# Altium PCB 项目.PcbDoc (part 2 of 2)
Units mil, origin at the board's own origin, x right, y up, seen from the top; angles counter-clockwise.
Board outline 3915 x 3895 mil, 2 copper layers (Top Layer, Bottom Layer); 135 components, 114 nets, 427 pads, 258 vias.
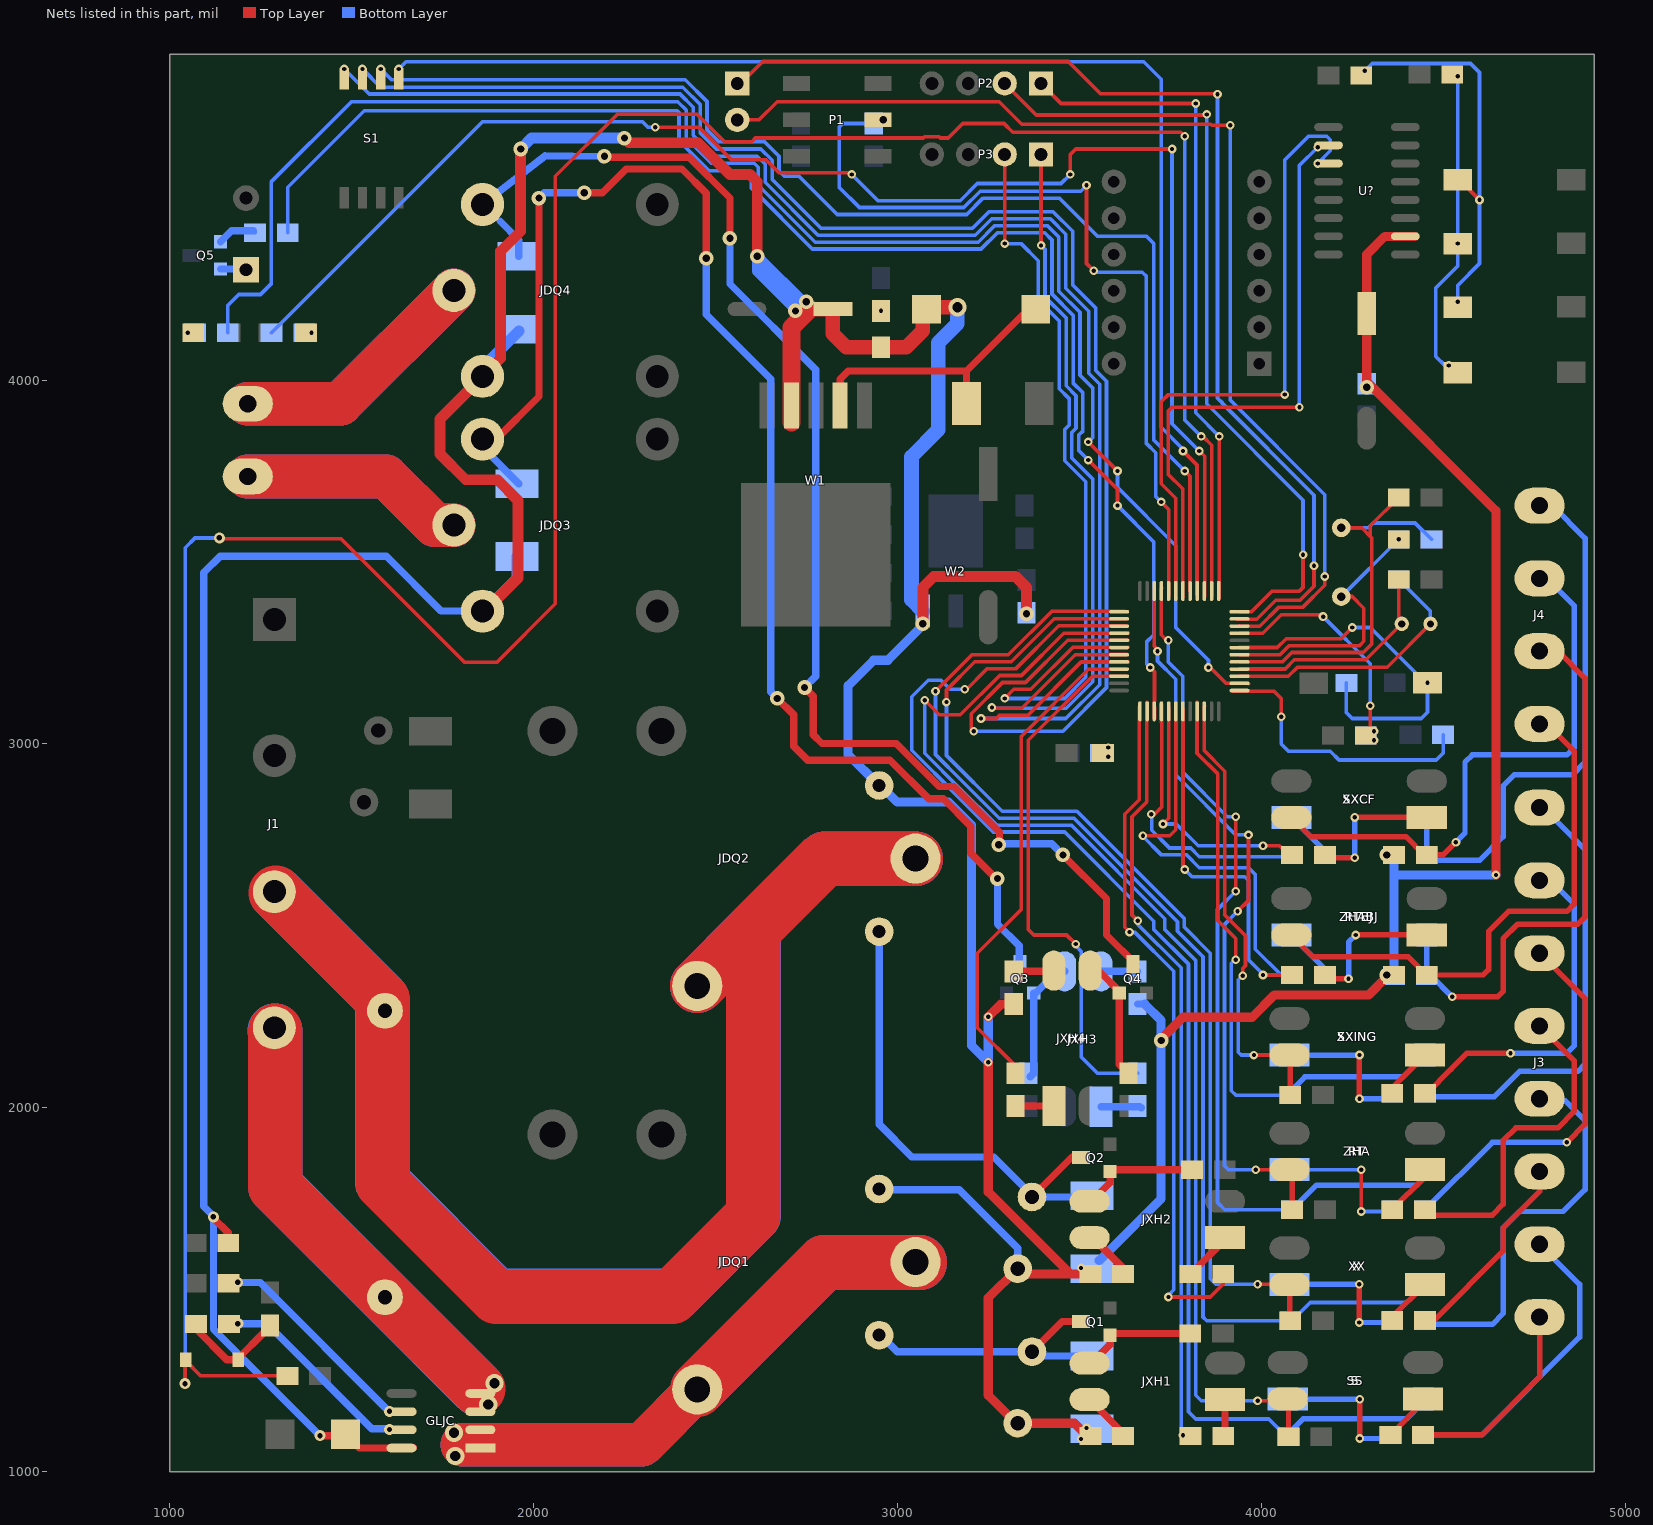
[diagram p2: the nets of this part, all layers, seen from the top]

## Via types
v1: diameter 23.62, hole 11.81, Top Layer to Bottom Layer, tented both sides, 129 vias
v2: diameter 40, hole 20, Top Layer to Bottom Layer, tented both sides, 63 vias
v3: diameter 24, hole 12, Top Layer to Bottom Layer, tented both sides, 36 vias
v4: diameter 50, hole 28, Top Layer to Bottom Layer, tented both sides, 9 vias
v5: diameter 30, hole 15, Top Layer to Bottom Layer, 8 vias
v6: diameter 50, hole 28, Top Layer to Bottom Layer, 4 vias
v7: diameter 124.02, hole 124.02, Top Layer to Bottom Layer, tented both sides, 4 vias
v8: diameter 30, hole 15, Top Layer to Bottom Layer, tented both sides, 2 vias
v9: diameter 35, hole 20, Top Layer to Bottom Layer, tented both sides, 2 vias
v10: diameter 35, hole 12, Top Layer to Bottom Layer, tented both sides, 1 vias

## Nets (pads, with @x,y where several pads share a name; then routed paths per layer and width w, separated by ;. In a path a pad name is that pad's centre, name@x,y a point inside that pad or via, vN(x,y) a via of type N, cw(c..) or ccw(c..) an arc to the next point about the centre after c; other vN are vias at no path point) (continued)
JDQ11: C8.1 C9.2 C16.2 C18.2 C19.1 D2.K D3.K D5.K D6.K D9.K GLJC.8 JDQ1.2 JDQ2.2 JDQ3.2 JDQ4.2 L1.2 LED1.1 R26.2 R28.2 R30.2 R32.2 R34.2 R37.2 R40.2 R43.2 U?.10 W1.4 W2.3 YM1.2 YM2.2 | length 17286.9
  Top Layer w20: v5(1120.46,1700) 1120.46,1697.29 1161,1656.76 1161,1654.11 1145.89,1639 C16.2@1173,1639 ; v5(1413.46,1099) 1479,1099 D9.K@1481,1101 ; D9.K@1482,1104 D9.K@1483,1103 1521,1065 GLJC.8@1637.46,1065 1669,1065 GLJC.8@1670,1066 ; JDQ3.2@1863,3358 JDQ3.2@1863,3361 ; v2@2615,4330 v2(2615,4340) ; L1.2@3070,4185 L1.2@3080,4195 ; L1.2@3095,4195 L1.2@3100,4200 ; YM2.2@3330,1555 YM2.2@3341.85,1543.15 ; 3474,1545 R37.2@3530,1545 ; R26.2@4345,2360 v2(4345,2365)
  Top Layer w25: v1(3250,2125) 3250,1769 3474,1545 ; v1(3250,2250) 3284.99,2284.99 R43.2@3320,2284.99 ; YM1.2@3330.63,1133.15 3486.85,1133.15 R34.2@3515,1105 ; YM2.2@3330.63,1558.15 3250,1477.52 3250,1210 YM1.2@3335,1125 ; YM2.2@3341.85,1543.15 R37.2@3530.63,1543.15 ; v2@3725,2189 3785,2249 3975,2249 4036,2310 4295,2310 R26.2@4345,2360 ; U?.10@4422,4395 U?.10@4396,4395 4340,4395 4290,4345 C19.1@4290,4182.48 4290,3996 4645,3641 v1(4645,2640)
  Top Layer w30: JDQ3.2@1863,3361 1958,3456 1958,3669 1901,3726 1814,3726 1743,3797 1743,3893 JDQ4.2@1860,4010 1910,4060 1910,4354 1965,4409 v2(1965,4635) ; v2(2250,4665) 2263,4652 2453,4652 2540,4565 2595,4565 2615,4545 v2(2615,4340) ; v2(3070,3330) 3070,3430 3100,3460 3325,3460 3355,3430 v2(3355,3358)
  Top Layer w40: 2760,4195 C8.1@2810,4195 ; C8.1@2823.11,4195 2823.11,4126.89 2860,4090 LED1.1@2955,4090 3024,4090 3070,4136 L1.2@3070,4185 ; L1.2@3100,4200 v4(3165,4200)
  Top Layer w50: W1.4@2709.21,3884 W1.4@2709.21,3930 2709.21,4144.21 2760,4195
  Bottom Layer w20: v5(1120.46,1700) 1120.46,1392 1411.46,1101 v5@1414,1101 ; v5@1122,1701 1094,1729 1094,3471 1139,3516 1596,3516 1747,3365 JDQ3.2@1860,3365 ; JDQ4.2@1855,4007 JDQ4.2@1855,4010 ; JDQ3.2@1860,3370 JDQ3.2@1870,3370 ; JDQ4.2@1860,4010 JDQ4.2@1860,4035 ; v2(2250,4665) v2@2255,4660 ; JDQ1.2@2950,1775 3170,1775 3330.63,1614.37 YM2.2@3330.63,1558.15 ; W2.3@3070,3326 v2(3070,3330) W2.3@3070,3365 ; R40.2@3660,2285 R40.2@3680,2285
  Bottom Layer w25: JDQ2.2@2945,2895 3000,2840 3141,2840 3204.07,2776.93 3204.07,2601.47 3204,2601.39 3204,2171 v1(3250,2125) v1(3250,2250) ; JDQ2.2@2950,2885.79 2865,2970.79 2865,3160 2935,3230 2974,3230 W2.3@3070,3326 ; D3.K@3555,1580 3725,1750 v2(3725,2185) 3725,2240 R40.2@3680,2285 ; R28.2@4365,2363 4365,2640 ; R32.2@4365,2695 4365,2640 ; v1(4645,2640) 4365,2640
  Bottom Layer w30: JDQ4.2@1860,4035 D6.K@1960,4135 ; JDQ3.2@1870,3370 1955,3455 D5.K@1955,3515 ; v2(1965,4635) 1995,4665 v2(2250,4665) ; v2@2730,4185 2615,4300 v2(2615,4340) v2@2750,4205
  Bottom Layer w40: W2.3@3070,3365 3039,3396 3039,3789 3113,3863 3113,4103 3165,4155 v4@3165,4195
  other v1: 3505,1090 3520,1120 3505,1560
  other v2: 4345,2695 4290,3980 2720,4190 2750,4215
JDQ12: D2.A JDQ1.1 Q1.C YM1.1 | length 780.6
  Top Layer w20: YM1.1@3370,1330 3453,1413 Q1.C@3505,1413
  Bottom Layer w20: JDQ1.1@2950,1380 3000,1330 YM1.1@3370,1330 3381.85,1318.15 D2.A@3535.63,1318.15
JDQ22: D3.A JDQ2.1 Q2.C YM2.1 | length 1365.6
  Top Layer w20: YM2.1@3370,1755 3480,1865 Q2.C@3493,1865
  Bottom Layer w20: JDQ2.1@2950,2484.21 2950,1955 3040,1865 3265,1865 3375,1755 D3.A@3535,1755
JDQ32: D5.A JDQ3.1 Q3.C | length 4078.5
  Top Layer w20: JDQ3.1@1860,3837.44 1897.44,3837.44 2015,3955 v2(2015,4500) ; v2(2140,4515) 2190,4515 2255,4580 2408,4580 2475,4513 v2(2475,4335) ; v2(2670,3125) 2715,3080 2715,2994 2754,2955 2980,2955 3086,2849 3126.64,2849 3201.57,2774.07 3201.57,2699.71 v2@3275.64,2625.64
  Bottom Layer w20: JDQ3.1@1860,3837.44 1860,3815 D5.A@1960,3715 ; v2(2015,4500) 2030,4515 v2(2140,4515) v2@2145,4515 ; v2(2475,4335) 2475,4180 2652,4003 2652,3143 v2(2670,3125) ; v2(3275,2630) 3275,2505 3335,2445 Q3.C@3335,2390
JDQ42: D6.A JDQ4.1 Q4.C | length 3672.4
  Top Layer w20: v2(2195,4615) 2198,4612 2428,4612 2540,4500 v2(2540,4390) ; v2(2745,3155) 2769,3131 2769,3025 2793,3001 2997,3001 3115,2883 3155,2883 3281,2757 v2@3281,2726 ; v2(3455,2695) 3575,2575 3575,2475 Q4.C@3655,2395
  Bottom Layer w20: JDQ4.1@1890.75,4500.83 1888.6,4504.42 2031.87,4616.11 2187.88,4614.58 2188.12,4613.48 2189.17,4608.71 2190.05,4604.76 v2@2191.12,4604.74 ; 1908.02,4436.98 1960,4385 D6.A@1960,4340 ; v2(2540,4390) 2540,4264 2776,4028 2776,3186 v2(2745,3155) ; v2@3292,2726 3424,2726 v2(3455,2695)
  other v2: 3279,2723
M11_OUT: DLDR.1 GLJC.3 GLJC.4 J1.4 | length 2430.4
  Top Layer w150: J1.4@1290,2212 1290,1783 1595.85,1480.15 1848,1228
  Bottom Layer w150: J1.4@1289,2212 1290,2211 1290,1785 1846.5,1228.5
  other v6: 1876,1185 1893,1243
M11_OUT_JC: GLJC.1 GLJC.2 JDQ1.3 JDQ1.6 | length 2938.9
  Top Layer w120: 1805,1074 2298.02,1074 JDQ1.3@2450.02,1226
  Top Layer w150: JDQ1.3@2450.02,1226 2799.02,1575 JDQ1.6@3062,1575
  Bottom Layer w120: 1805,1074 2298,1074 JDQ1.3@2459,1235
  Bottom Layer w150: JDQ1.3@2452,1228 2799,1575 JDQ1.6@3062,1575
  other v6: 1785,1043 1782,1107
M12_OUT: DLDR.2 J1.3 JDQ2.3 JDQ2.6 | length 7374.5
  Top Layer w150: J1.3@1292,2591 1586,2297 1586,2266.7 1586,1793 1898,1481 2381,1481 2604,1704 2604,2489 JDQ2.3@2450,2335 ; 2605,2490 2800,2685 JDQ2.6@3050,2685
  Bottom Layer w150: J1.3@1293,2590 1585,2298 1585,2266.7 1585,1796 1898,1483 2383,1483 2605,1705 2605,2490 ; JDQ2.3@2450,2335 2605,2490 ; JDQ2.6@3050,2685 2800,2685 2605,2490
M21_OUT: J2.2 JDQ3.3 | length 1243.3
  Top Layer w120: J2.2@1215,3735 1595,3735 1728.78,3601.22 JDQ3.3@1781.26,3601.22
  Bottom Layer w120: J2.2@1215,3735 1595,3735 1728.78,3601.22 JDQ3.3@1781.26,3601.22
M22_OUT: J2.1 JDQ4.3 | length 1390.3
  Top Layer w120: J2.1@1215,3935 1470.04,3935 JDQ4.3@1781.26,4246.22
  Bottom Layer w120: J2.1@1215,3935 1470.04,3935 JDQ4.3@1781.26,4246.22
Net_1: ?.1 R3.2 | length 789.4
  Top Layer w10: ?.1@3920,3145 4035,3145 4055,3125 v1(4055,3075)
  Bottom Layer w10: v1(4055,3075) 4055,3000 4075,2980 4190,2980 4214,2956 4481,2956 4500,2975 R3.2@4500,3025
Net_5: ?.5 C3.2 R1.2 X2.2 | length 1182.3
  Top Layer w10: ?.5@3940.35,3225.47 4058.67,3225.47 4084.3,3251.1 4280.49,3251.1 4303.99,3274.6 4303.99,3566.02 4300.81,3569.19 4300,3570 ; X2.2@4220,3593.98 4276.02,3593.98 4300,3570 ; C3.2@4377.86,3677.14 4300,3599.28 4300,3570
  Bottom Layer w10: X2.2@4220,3593.98 4294.7,3593.98 4307.86,3607.14 4422.86,3607.14 R1.2@4467.86,3562.14
Net_6: ?.6 C4.2 R1.1 X2.1 | length 746.1
  Top Layer w10: ?.6@3940.35,3245.16 4051.48,3245.16 4076.43,3270.1 4270.1,3270.1 4282,3282 4282,3373 4281.81,3373.19 4250,3405 X2.1@4220,3405
  Bottom Layer w10: X2.1@4220,3405 4220.72,3405 v1(4377.86,3562.14)
Net_9: ?.9 C5.2 R2.1 | length 649.1
  Top Layer w10: ?.9@3940.35,3304.21 4004.21,3304.21 4055,3355 4170,3355 4175,3350 v3(4170,3350) ; C5.2@4287.14,3022.86 4300,3035.72 v3(4300,3105)
  Bottom Layer w10: v3(4170,3350) 4300,3220 v3(4300,3105)
  other v1: 4310,3010 4310,3035
NetBEEP_1: BEEP.1 Q5.E | length 65
  Bottom Layer w20: Q5.E@1140,4305 BEEP.1@1205,4305
NetC15_2: C15.2 GLJC.6 | length 561.6
  Bottom Layer w20: v5(1187,1520) 1249,1520 1599.76,1169.24 1599.76,1168 1599.84,1167.91 1601.91,1167.91 v5@1602,1168
  other v5: 1604.46,1166
NetD1_K: D1.K L1.1 W1.2 | length 791.6
  Top Layer w20: W1.2@2843.07,3930 2843.07,4003.07 2865,4025 3190,4025 ; D1.K@3180,3930 3190,3940 3190,4025 ; L1.1@3385,4190 3355,4190 3190,4025
NetD8_A: D8.A R45.1 R46.1 | length 317.5
  Top Layer w20: R45.1@1058,1406 R45.1@1073,1406 1073,1392 1157,1308 1185.06,1308 D8.A@1189,1311.94 ; D8.A@1189,1308 D8.A@1189,1311.94 ; D8.A@1193,1309 D8.A@1189.53,1312.47 ; R46.1@1276,1402 1276,1397 1261,1382 1259.06,1382 D8.A@1189.53,1312.47 ; D8.A@1189,1311.94 D8.A@1189.53,1312.47
NetGLJC_7: GLJC.7 R45.2 | length 536.8
  Bottom Layer w20: v5(1188,1407) 1188.65,1406.35 1267.65,1406.35 1556,1118 1599.76,1118 1599.84,1117.91 1604.91,1117.91 v5@1605,1118
  other v5: 1604.46,1116
NetJXH1_1: JXH1.1 R33.2 | length 105.5
  Top Layer w20: R33.2@3895,1095 3900.63,1100.63 JXH1.1@3900.63,1198.15
NetJXH1_3: JXH1.3 Q1.B R35.1 | length 329.9
  Top Layer w20: JXH1.3@3530,1295 3585,1350 Q1.B@3585,1375 Q1.B@3590,1380 ; Q1.B@3585,1380 Q1.B@3590,1380 ; R35.1@3805,1380 Q1.B@3590,1380
NetJXH1_4: JXH1.4 R34.1 | length 150.2
  Top Layer w20: JXH1.4@3528.51,1198.15 3630,1096.66 R34.1@3630,1090
NetJXH2_1: JXH2.1 R36.2 | length 143
  Top Layer w20: R36.2@3805.63,1543.15 3905,1642.52 JXH2.1@3905,1645
NetJXH2_3: JXH2.3 Q2.B R38.1 | length 319.9
  Top Layer w20: JXH2.3@3530,1740 3585,1795 Q2.B@3585,1815 ; Q2.B@3590,1825 3595,1830 R38.1@3810,1830
NetJXH2_4: JXH2.4 R37.1 | length 144.4
  Top Layer w20: JXH2.4@3530,1650 3620.63,1559.37 R37.1@3620.63,1543.15
NetJXH3_1: JXH3.1 R39.2 | length 111.2
  Bottom Layer w20: JXH3.1@3559.99,2002.87 3667.13,2002.87 R39.2@3670,2000
NetJXH3_3: JXH3.3 Q3.B R41.1 | length 346.1
  Bottom Layer w20: R41.1@3365,2085 3375,2095 Q3.B@3375,2310 ; Q3.B@3375,2315 Q3.B@3375,2310 ; JXH3.3@3459.99,2374.99 3439.99,2374.99 Q3.B@3375,2310
NetJXH3_4: JXH3.4 R40.1 | length 100
  Bottom Layer w20: JXH3.4@3559.99,2374.99 R40.1@3660,2375
NetJXH4_1: JXH4.1 R42.2 | length 117.1
  Top Layer w20: R42.2@3315,2000 3319.99,2004.99 R42.2@3325,2004.99 JXH4.1@3430,2004.99
NetJXH4_3: JXH4.3 Q4.B R44.1 | length 348.1
  Top Layer w20: JXH4.3@3530,2377.11 3552.89,2377.11 Q4.B@3615,2315 ; Q4.B@3610,2314.99 3610,2120 R44.1@3640,2090
NetJXH4_4: JXH4.4 R43.1 | length 112.1
  Top Layer w20: R43.1@3320,2374.99 3424.99,2374.99 JXH4.4@3430,2380
NetK2_3: K2.3 K4.3 R48.2 | length 855.2
  Top Layer w10: K2.3@4540,4020 K2.3@4540,4035
  Bottom Layer w10: v1(4515,4040) 4505,4040 4480,4065 4480,4253.17 4540,4313.17 v1(4540,4375) v3(4540,4835)
NetK3_3: K3.3 K5.3 R49.2 | length 1071.3
  Top Layer w10: K5.3@4540,4550 4545,4550 v3(4600,4495)
  Bottom Layer w10: v3(4285,4850) 4305,4870 4575,4870 4600,4845 v3(4600,4495) 4600,4320 4540,4260 v3(4540,4215)
NetLED1_2: LED1.2 R7.2
  other v10: 2955,4190
NetLED2_2: LED2.2 R8.2
  other v1: 3580,2965 3580,2990
NetLED3_2: LED3.2 R50.2
  other v1: 1390,4130
NetLED4_2: LED4.2 R51.2
  other v1: 1050,4130
NetQ5_B: Q5.B R47.2 | length 109.5
  Bottom Layer w10: R47.2@1230,4410 R47.2@1235,4405
  Bottom Layer w20: Q5.B@1140,4380 1170,4410 R47.2@1230,4410
NetR9_2: R9.2 S.1 | length 136.1
  Top Layer w15: R9.2@4355,1101.16 4445,1191.16 S.1@4445,1200
NetR11_2: R11.2 SS.1 | length 390.3
  Top Layer w15: v3(4271.16,1091.31) v3(4271.16,1199)
  Bottom Layer w15: SS.1@4072.88,1200 4074.04,1198.84 v3(4271.16,1199) ; v3(4271.16,1091.31) R11.2@4354.98,1091.16
NetR13_2: R13.2 X.1 | length 136.1
  Top Layer w15: R13.2@4360,1416.16 4360,1425 X.1@4450,1515
NetR15_2: R15.2 XX.1 | length 387.1
  Top Layer w15: v3(4269.62,1410) v3(4269.62,1515)
  Bottom Layer w15: XX.1@4077.88,1515 v3(4269.62,1515) ; v3(4269.62,1410) R15.2@4360,1410
NetR17_2: R17.2 RT.1 | length 147.3
  Top Layer w15: R17.2@4360,1720 4450,1810 RT.1@4450,1830
NetR19_2: R19.2 ZHA.1 | length 397.1
  Top Layer w10: v3(4275,1715) v3(4275,1830)
  Bottom Layer w10: ZHA.1@4077.88,1830 v3(4275,1830) ; v3(4275,1715) R19.2@4360,1715
NetR21_2: R21.2 SXING.1 | length 142.3
  Top Layer w15: R21.2@4360,2040 4360,2055 SXING.1@4450,2145
NetR23_2: R23.2 XXING.1 | length 402.1
  Top Layer w15: v3(4270,2025) v3(4270,2145)
  Bottom Layer w15: XXING.1@4077.88,2145 v3(4270,2145) ; v3(4270,2025) R23.2@4360,2025
NetR25_2: R25.2 RTBJ.1 | length 392.4
  Top Layer w15: R25.2@4175,2365 4185,2355 v3(4240,2355) ; v3(4260,2475) RTBJ.1@4455,2475
  Bottom Layer w15: v3(4240,2355) 4240,2455 v3(4260,2475)
NetR27_2: R27.2 ZHABJ.1 | length 148.2
  Bottom Layer w15: ZHABJ.1@4082.88,2475 4082.88,2473 4175,2380.88 R27.2@4175,2365
NetR29_2: R29.2 SXCF.1 | length 398.8
  Top Layer w15: R29.2@4175,2695 R29.2@4185,2685 ; v3(4257,2687) R29.2@4187,2687 ; v3(4257,2798) SXCF.1@4455,2798 ; R29.2@4185,2685 R29.2@4187,2687 ; R29.2@4185,2685 R29.2@4187,2687
  Bottom Layer w15: v3(4257,2687) v3(4257,2798)
NetR31_2: R31.2 XXCF.1 | length 141.2
  Bottom Layer w15: XXCF.1@4082.88,2798 4175,2705.88 R31.2@4175,2695
NRST: ?.7 C6.2 K1.3 R4.2 | length 1008.8
  Top Layer w10: ?.7@3940.35,3264.84 4044.3,3264.84 4068.56,3289.1 4219.1,3289.1 v3(4250,3320)
  Bottom Layer w10: C6.2@4234.12,3167.47 4234.12,3085.88 4250,3070 4440,3070 4457.14,3087.14 v3(4457.14,3167.86) 4440,3167.86 4440,3180 4300,3320 v3(4250,3320)
PA0: ?.10 P4.2 | length 3072
  Top Layer w10: P4.2@2560,4715 2620,4715 2670,4765 3280,4765 3341.81,4703.19 3861.11,4703.19 3864.29,4700 v1(3915,4700) ; ?.10@3940.35,3323.9 3941.04,3323.21 3996.34,3323.21 4049.13,3376 4114.74,3376 4175,3436.26 4175,3455 4177.5,3457.5 4180,3460 4181.2,3461.2 4177.4,3465 4175,3462.6 v1(4175,3460)
  Bottom Layer w10: v1(3915,4700) 3915,3943.98 3915.51,3944.49 4175,3685 v1(4175,3460)
PA1: ?.11 P4.1 | length 3094.6
  Top Layer w10: P4.1@2560,4815 2570,4815 2631,4876 3469,4876 3558.19,4786.81 3878.19,4786.81 v1(3880,4785) ; ?.11@3932.41,3342.82 3932.48,3342.9 3987.9,3342.9 4040,3395 4106.87,3395 4145,3433.13 v1(4145,3490)
  Bottom Layer w10: v1(3880,4785) 3880,3950 3893.34,3936.66 3893.34,3935.3 4145,3683.64 v1(4145,3490)
PA2: ?.12 P2.2 | length 2203.8
  Top Layer w10: P2.2@3295,4815 3381.81,4728.19 3848.19,4728.19 v1(3850,4730) ; ?.12@3940.35,3363.27 3973.27,3363.27 4030,3420 4105,3420 4115,3430 v1(4115,3520)
  Bottom Layer w10: v1(3850,4730) 3850,3935 4115,3670 v1(4115,3520)
PA3: ?.13 P2.1 | length 1834.7
  Top Layer w10: P2.1@3395,4815 3450,4760 v1(3820,4760) ; ?.13@3885,3400 v1(3885,3845)
  Bottom Layer w10: v1(3820,4760) 3820,3910 v1(3885,3845)
PA4: ?.14 C17.2 D8.K | length 8245.2
  Top Layer w10: v5@1043,1242.54 D8.K@1043,1311 ; D8.K@1045,1304.06 1085.06,1264 C17.2@1327,1264 ; v5@1139,3564 1471,3564 1811,3224 1899,3224 2060,3385 2060,4560 2230,4730 2450,4730 2525,4655 2600,4655 2610,4665 3071.46,4665 3074.93,4668.46 3115.07,4668.46 3118.54,4665 3140,4665 3180,4705 3293.13,4705 3317.13,4681 3779,4681 v1(3790,4670) ; v1(3835,3845) 3840,3845 3864.35,3820.65 ?.14@3864.35,3405
  Top Layer w20: v5(1042.46,1242) v5@1043,1242.54 ; D8.K@1043,1311 D8.K@1044,1312 ; D8.K@1045,1304.06 D8.K@1045,1308
  Bottom Layer w10: v5@1043,1244 1043,3539 1070,3566 v5(1137,3566) ; v1(3790,4670) 3790,3890 v1(3835,3845)
PA5: ?.15 R50.1 | length 4173.3
  Top Layer w10: v1(2335,4695) 2455,4695 2545,4605 2640,4605 2675,4570 2870,4570 v1(2875,4565) v1@2880,4565 ; v1(3475,4565) 3475,4620 3490,4635 v1(3755,4635) ; v1(3830,3805) 3844.66,3790.34 ?.15@3844.66,3405
  Bottom Layer w10: R50.1@1280,4130 1860,4710 2300,4710 2315,4695 v1(2335,4695) v1@2340,4695 ; v1(2875,4565) 2947,4493 3173,4493 3220,4540 3450,4540 v1(3475,4565) ; v1(3755,4635) 3755,3880 v1(3830,3805)
PA6: ?.16 S1.5 | length 3580.9
  Top Layer w10: v1(3785,3805) 3823.45,3766.55 ?.16@3823.45,3410
  Bottom Layer w10: v1(1630,4855) 1650,4875 3676.92,4875 3725,4826.92 3725,3870 3785,3810 v1(3785,3805)
PA7: ?.17 S1.6 | length 3426.1
  Top Layer w10: v1(3790,3750) 3804.45,3735.55 ?.17@3804.45,3420
  Bottom Layer w10: v1(1580,4855) 1610,4825 2417.48,4825 2477,4765.48 2477,4688 2510,4655 2635,4655 2675,4615 2675,4575 2690,4560 2730,4560 2835,4455 3190.65,4455 3235.65,4500 3445,4500 3550,4395 3685,4395 3705,4375 3705,3835 v1(3790,3750)
PA8: ?.29 S1.7 | length 4523.9
  Top Layer w10: v1(3210,3035) 3203.19,3041.81 3203.19,3083.19 3289,3169 3352,3169 3468.29,3285.29 ?.29@3635,3285.29
  Bottom Layer w10: v1(1530,4855) 1580,4805 2410.61,4805 2458,4757.61 2458,4680.13 2503.13,4635 2625,4635 2656,4604 2656,4551.08 2790.08,4417 3206.39,4417 3251.39,4462 3428.61,4462 3482,4408.61 3482,4261.13 3545,4198.13 3545,4026.46 3574.93,3996.54 3574.93,3154.93 3455,3035 v1(3210,3035)
PA9: ?.30 P3.2 | length 2210.7
  Top Layer w10: v1(3295,3125) 3320,3150 3366.87,3150 3482.48,3265.61 ?.30@3635,3265.61 ; v1(3295,4375) P3.2@3295,4620
  Bottom Layer w10: v1(3295,3125) 3460,3125 3517.93,3182.93 3517.93,3720.2 3460.19,3777.94 3460.19,3863.93 3472,3875.74 3472,3949.26 3445,3976.26 3445,4162.52 3387,4220.52 3387,4328 3340,4375 v1(3295,4375)
PA10: ?.31 P3.1 | length 2258.1
  Top Layer w10: v1(3260,3100) 3261.81,3098.19 3341.93,3098.19 3488.74,3245 3578.48,3245 3578.48,3245.92 ?.31@3630,3245.92 ; v1@3395,4375 P3.1@3395,4620
  Bottom Layer w10: v1@3255,3100 v1(3260,3100) 3261.81,3098.19 3464.45,3098.19 3536.93,3170.67 3536.93,3728.07 3479.19,3785.81 3479.19,3856.06 3491,3867.87 3491,3957.13 3464,3984.13 3464,4170.39 3406,4228.39 3406,4359 v1(3395,4370)
PA11: ?.32 S1.8 | length 4400.1
  Top Layer w10: v1(3230,3070) 3271.26,3070 3280.26,3079 3359,3079 3505,3225 ?.32@3635,3225
  Bottom Layer w10: v1(1480,4855) 1549,4786 2402.74,4786 2439,4749.74 2439,4672.26 2496.26,4615 2615,4615 2637,4593 2637,4543.21 2782.21,4398 3214.26,4398 3259.26,4443 3420.74,4443 3463,4400.74 3463,4252 3526,4189 3526,4018.59 3555.93,3988.67 3555.93,3162.8 3463.13,3070 v1(3230,3070) v1@3225,3065
PA12: ?.33 R42.1 | length 1384.8
  Top Layer w10: R42.1@3325,2094.99 3325,2115 3220,2220 3220,2425 3341,2546 3341,3021 3525.02,3205.02 ?.33@3630,3205.02
PA13: ?.34 R39.1 | length 1499
  Top Layer w10: v1(3490,2450) 3465,2475 3375,2475 3360,2490 3360,3010 3535.5,3185.5 ?.34@3629.84,3185.5
  Bottom Layer w10: v1(3490,2450) 3490,2445 3505.49,2429.51 3505.49,2139.51 3550,2095 R39.1@3660,2095
PA14: ?.37 R36.1 | length 1888.8
  Top Layer w10: v1(3638,2483) 3625,2496 3625,2806.87 3665,2846.87 ?.37@3665,3102.5 ; v1(3745,1480) 3860,1480 3895.63,1515.63 R36.1@3895.63,1543.15
  Bottom Layer w10: v1@3639,2482 3653,2482 3760,2375 3760,1500 v1@3750,1490
PA15: ?.38 R33.1 | length 2091.2
  Top Layer w10: v1@3662,2513 v1(3661,2514) 3645,2530 3645,2800 3685.65,2840.65 ?.38@3685.65,3115
  Bottom Layer w10: v1(3661,2514) 3661,2504 3780,2385 3780,1105 v1(3785,1100)
PB0: ?.18 U?.2 | length 1658.1
  Top Layer w10: ?.18@3785,3405 3784.08,3405.92 3784.08,3700.92 3745,3740 3745,3915 3755,3925 v1(4105,3925) ; v1(4155,4640) 4180,4640 U?.2@4185,4645
  Bottom Layer w10: v1@4105,3925.35 4105,4590 v1(4155,4640)
PB1: ?.19 U?.3 | length 1780.2
  Top Layer w10: ?.19@3765,3405 3765,3675 3725,3715 3725,3940 3745,3960 v1(4065,3960)
  Bottom Layer w10: v1(4065,3960) 4065,4604.83 4130,4669.83 4180.17,4669.83 4190,4660 4190,4630 v1(4155,4595)
PB2: ?.20 P1.3 R5.1 | length 2301.4
  Top Layer w10: v2(2960.98,4715) P1.3@2970,4715 ; v1(3520,4535) 3520,4320 v1(3540,4300) ; v1(3725,3665) 3746,3644 ?.20@3746,3405
  Bottom Layer w10: R5.1@2935,4705 2850,4705 2840,4695 2840,4530 2896,4474 3182.78,4474 3227.78,4519 3504,4519 v1(3520,4535) ; v1(3540,4300) 3543.46,4296.54 3673.46,4296.54 3684.46,4285.54 3684.46,3825.54 3710,3800 3710,3680 v1(3725,3665)
PB3: ?.39 R47.1 | length 4020.4
  Top Layer w10: v1(3525,3780) 3605,3700 v1@3605,3660 ; v1(3695,3210) 3706.87,3198.13 3706.87,3118.71 3706.02,3117.87 3706.02,3102.13 3706.87,3101.29 ?.39@3706.87,3070
  Bottom Layer w10: R47.1@1325,4405 1325,4530 1535,4740 2395,4740 2400,4735 2400,4657.52 2482.52,4575 2595,4575 2599,4571 2599,4527.47 2766.47,4360 3230,4360 3275,4405 3405,4405 3425,4385 3425,4236.26 3483,4178.26 3483,3992 3510,3965 3510,3860 3498.19,3848.19 3498.19,3806.81 v1@3522.5,3782.5 ; v1(3605,3655) 3705,3555 3705,3300 3685,3280 3685,3220 3690,3215 v1@3700,3215
PB4: ?.40 R31.1 | length 779.6
  Top Layer w10: v1(3698,2807) 3707,2807 3725,2825 ; 3726.55,2826.58 3726.55,3059.33 3725.87,3060.01 3725.87,3107.79 ?.40@3726.55,3108.47
  Bottom Layer w10: v1(3698,2807) 3699,2806 3699,2763 3748,2714 3806,2714 3830,2690 4080,2690 R31.1@4085,2695
PB5: ?.41 R29.1 | length 716.6
  Top Layer w10: v1(3730,2780) 3745.55,2795.55 ?.41@3745.55,3100 ; v1(4005,2720) 4050,2720 4075,2695 R29.1@4085,2695
  Bottom Layer w10: v1(3730,2780) 3766.87,2780 3826.87,2720 v1(4005,2720)
PB6: ?.42 R27.1 | length 1133.2
  Top Layer w10: v1(3675,2748) 3749,2748 3765,2764 ?.42@3765,3105
  Bottom Layer w10: v1(3675,2748) 3675,2750 3673,2748 3726,2695 3795,2695 3830,2660 3965,2660 3984,2641 3984,2436 4055,2365 R27.1@4085,2365
PB7: ?.43 R25.1 | length 986.1
  Top Layer w10: ?.43@3785,3095 3785,2660 v1(3790,2655) ; v1(4005,2365) R25.1@4085,2365
  Bottom Layer w10: v1(3790,2655) 3810,2635 3955,2635 3965,2625 3965,2407 4005,2367 v1(4005,2365)
PB8: ?.45 R24.1 XXING.4 | length 1715.1
  Top Layer w10: ?.45@3823.45,3115 3823.45,2974.68 3881,2917.13 3881,2514 3930,2465 v1(3930,2407) v1@3933,2404
  Bottom Layer w10: v1(3930,2407) 3928,2407 3918,2397 3918,2047 3930,2035 4070,2035 R24.1@4080,2035
  Bottom Layer w15: R24.1@4070,2035 4120,2085 4390,2085 XXING.4@4450,2145
PB9: ?.46 R22.1 SXING.4 | length 1266.2
  Top Layer w10: ?.46@3844.66,3105 3843.13,3103.47 3843.13,2981.87 3900,2925 3900,2530 3957,2473 3957,2391 3949,2383 v1(3949,2363) ; v1@3985,2145 SXING.4@4077.88,2145
  Top Layer w15: SXING.4@4077.88,2145 4080,2142.88 R22.1@4080,2035
  Bottom Layer w10: v1(3949,2363) 3949,2356 3945,2360 3937,2352 3937,2153 3945,2145 v1(3980,2145)
PB10: ?.21 R20.1 ZHA.4 | length 2446.8
  Top Layer w10: 3725,3389.86 3725,3300 3740,3285 v1(3745,3285) ; 3725.02,3389.88 3725.02,3426.94 ?.21@3726.55,3428.47 ; v1(3930,2595) v1(3930,2800)
  Bottom Layer w10: v1(3745,3285) 3745,3224.8 3784,3185.8 3784,2922.87 3906.87,2800 v1(3930,2800) ; v1(3930,2595) 3880,2545 3880,1740 3900,1720 R20.1@4085,1720
  Bottom Layer w15: R20.1@4085,1720 4152.5,1787.5 4427.5,1787.5 4450,1810 ZHA.4@4450,1830
PB11: ?.22 R18.1 RT.4 | length 2046.9
  Top Layer w10: ?.22@3706.02,3429.32 3706.02,3397.75 3706,3269 3715,3260 3710,3255 v1(3715,3255) ; v1(3935,2540) 3965,2570 v1(3965,2750) ; v1(3985,1830) RT.4@4077.88,1830
  Top Layer w15: RT.4@4077.88,1830 4085,1822.88 R18.1@4085,1720
  Bottom Layer w10: v1(3715,3255) 3715,3227.93 3765,3177.93 3765,2915 3930,2750 v1(3965,2750) ; v1(3935,2540) 3899,2504 3899,1841 3910,1830 v1(3985,1830)
PB12: ?.25 R16.1 XX.4 | length 3412.5
  Top Layer w10: v1(3105,3145) 3205,3245 3305,3245 3425,3365 ?.25@3625,3365
  Bottom Layer w10: v1@3105,3140 3105,2971 3178.21,2897.79 3178.34,2897.79 3280.13,2796 3485.66,2796 3770,2511.66 3770,2485 3840,2415 3840,1425 3850,1415 R16.1@4080,1415 4095,1415 4095,1425 4135,1465 4400,1465 XX.4@4450,1515
PB13: ?.26 R14.1 X.4 | length 2940.1
  Top Layer w10: v1(3135,3115) 3135,3148.13 3212.87,3226 3312.87,3226 3431.22,3344.35 ?.26@3630,3344.35 ; v1(3990,1515) X.4@4077.88,1515
  Top Layer w15: X.4@4077.88,1515 4077.88,1417.12 R14.1@4080,1415
  Bottom Layer w10: v1(3135,3115) 3135,2968 3288,2815 3493.53,2815 3789,2519.53 3789,2496 3860,2425 3860,1530 3875,1515 v1(3990,1515)
PB14: ?.27 R12.1 SS.4 | length 3821.1
  Top Layer w10: v1(3185,3150) 3185,3145 3247,3207 3326,3207 3443.66,3324.66 ?.27@3630,3324.66
  Bottom Layer w10: v1(3185,3150) 3145,3150 3120,3175 3085,3175 3040,3130 3040,2982.26 3162.47,2859.79 3162.6,2859.79 3264.39,2758 3460,2758 3705,2513 3705,2490 3800,2395 3800,1165 3820,1145 4020.76,1145 4067.88,1097.88 4069.76,1096 R12.1@4075,1096
  Bottom Layer w15: R12.1@4067.88,1097.88 4115,1145 4398.84,1145 4445,1191.16 SS.4@4445,1200
PB15: ?.28 R10.1 S.4 | length 3373.4
  Top Layer w10: v1(3075,3120) 3115,3080 3173.13,3080 3281.13,3188 3341,3188 3457.29,3304.29 3634.31,3304.29 ?.28@3635,3304.98 ; v3(3990,1195) S.4@4072.88,1195
  Top Layer w15: S.4@4072.88,1195 4075,1197.88 R10.1@4075,1096
  Bottom Layer w10: v1(3075,3120) 3075,2974.13 3170.34,2878.79 3170.47,2878.79 3272.26,2777 3477.79,2777 3735,2519.79 3735,2490 3820,2405 3820,1210 3835,1195 v3(3990,1195)
PC13: ?.2 R51.1 | length 4512.3
  Top Layer w10: v1(3525,3830) v1(3605,3750) ; v1(3855,3210) 3860,3210 3903.19,3166.81 3963.84,3166.81 ?.2@3965,3165.65
  Bottom Layer w10: R51.1@1160,4130 1160,4205 1190,4235 1250,4235 1279,4264 1279,4544 1500,4765 2396.87,4765 2420,4741.87 2420,4664.39 2488.39,4596 2607.13,4596 2618,4585.13 2618,4535.34 2774.34,4379 3222.13,4379 3267.13,4424 3412.87,4424 3444,4392.87 3444,4244.13 3502,4186.13 3502,4013 3536.93,3978.07 3536.93,3841.93 v1(3525,3830) ; v1(3605,3750) 3605,3705 3765,3545 3765,3320 3855,3230 v1(3855,3210)
PC14: ?.3 C1.2 X1.2 | length 742.5
  Top Layer w10: ?.3@3940.35,3186.1 3940.41,3186.05 4074.4,3186.05 4099.45,3211.1 4346.1,3211.1 X1.2@4465,3330
  Bottom Layer w10: C1.2@4377.86,3452.14 4465,3365 X1.2@4465,3330
PC15: ?.4 C2.2 X1.1 | length 623.1
  Top Layer w10: ?.4@3940.35,3205.79 3940.41,3206.1 4066.17,3206.1 4091.17,3231.1 4287.36,3231.1 X1.1@4386.26,3330 4377.86,3338.4 C2.2@4377.86,3452.14
RT: J3.5 R17.1 | length 911.1
  Top Layer w15: R17.1@4450,1720 4465,1705 4635,1705 4665,1735 4665,1910 4700,1945 4815,1945 4860,1990 4860,2130 J3.5@4765,2225
RTBJ: J4.1 R26.1 RTBJ.4 | length 1511
  Top Layer w15: RTBJ.4@4082.88,2475 4142.88,2415 4404.34,2415 4454.34,2365 R26.1@4455,2365 4610,2365 4625,2380 4625,2485 4680,2540 4840,2540 4860,2560 4860,2980 4785,3055 J4.1@4765,3055
S: J3.1 R9.1 | length 550.8
  Top Layer w15: R9.1@4445,1101.16 4606.16,1101.16 4765,1260 J3.1@4765,1425
SS: J3.2 R11.1 | length 841.9
  Bottom Layer w15: R11.1@4445,1101.16 4606.16,1101.16 4875,1370 4875,1515 J3.2@4765,1625
SXCF: J4.3 R30.1 SXCF.4 | length 1572.3
  Top Layer w15: SXCF.4@4082.88,2798 4135.88,2745 4397.34,2745 4447.34,2695 R30.1@4455,2695 4500,2695 v3(4535,2730)
  Bottom Layer w15: v3(4535,2730) 4560,2755 4560,2950 4580,2970 4840,2970 4860,2990 4860,3380 4785,3455 J4.3@4765,3455
SXING: J3.7 R21.1 | length 976.2
  Top Layer w15: R21.1@4450,2040 4455.66,2040 4522.12,2106.46 4522.12,2107.12 4565,2150 v3(4685,2150)
  Bottom Layer w15: v3(4685,2150) 4840,2150 4860,2170 4860,2560 4795,2625 J3.7@4765,2625
X: J3.3 R13.1 | length 553.7
  Top Layer w15: R13.1@4450,1416.16 4474.46,1416.16 4665,1606.69 4665,1670 4765,1770 J3.3@4765,1825
XX: J3.4 R15.1 | length 1074.9
  Bottom Layer w15: R15.1@4450,1415 4460,1405 4635,1405 4665,1435 4665,1670 4710,1715 4830,1715 4890,1775 4890,1965 4835,2020 4780,2020 4775,2025 J3.4@4765,2025
XXCF: J4.4 R32.1 XXCF.4 | length 1515.3
  Bottom Layer w15: XXCF.4@4455,2798 R32.1@4455,2695 4470,2680 4600,2680 4665,2745 4665,2885 4695,2915 4855,2915 4890,2950 4890,3565 4800,3655 J4.4@4765,3655
XXING: J3.8 R23.1 | length 1244.1
  Bottom Layer w15: R23.1@4450,2040 4460,2030 4640,2030 4710,2100 4870,2100 4890,2120 4890,2710 4775,2825 J3.8@4765,2825
ZHA: J3.6 R19.1 | length 1059.1
  Top Layer w15: J3.6@4765,2425 4890,2300 4890,1955 v3(4840,1905)
  Bottom Layer w15: R19.1@4450,1720 4635,1905 v3(4840,1905)
ZHABJ: J4.2 R28.1 ZHABJ.4 | length 1558.2
  Top Layer w15: v3(4525,2305) 4650,2305 4665,2320 4665,2465 4705,2505 4870,2505 4890,2525 4890,3180 4815,3255 J4.2@4765,3255
  Bottom Layer w15: ZHABJ.4@4455,2475 R28.1@4455,2363 4467,2363 v3(4525,2305)
copper on no net:
  other v7: 1110,1110 4805,1110 1110,4785 4805,4785

## Polygon pours and split planes (outlines as drawn)
GND on Top Layer "GND_L01_P000" (solid, remove dead copper, pour order 0): 2649,4873 2649,2868 3229,2868 3229,1033 4894,1033 4894,4873 2649,4873
GND on Bottom Layer "GND_L02_P002" (solid, remove dead copper, pour order 2): 2648.97,4865.63 2648.97,2869.63 3228.97,2869.63 3228.97,1034.63 4888.97,1034.63 4893.97,1029.63 4893.97,1034.63 4893.97,4864.63 4884.97,4873.63 2657.97,4873.63 2648.97,4864.63

## Keep-outs
Keep-Out Layer:
  circle w5.91: c1110,4785 r110.24
  circle w5.91: c4805,4785 r110.24
  circle w5.91: c4805,1110 r110.24
  circle w5.91: c1110,1110 r110.24
  lines w10: 1000,1000 4915,1000 4915,4895 1000,4895 1000,1000

## Silkscreen, mask and mechanical layers (free items; w line width, h text height)
Top Overlay:
  text "BOOT0" at 2680,4650 h30 r90
Bottom Overlay:
  text "M22" at 1060,4030 h60 r270
  text "M21" at 1060,3815 h60 r270
  text "XXC" at 4900,3735 h60 r90
  text "SXC" at 4905,3525 h60 r90
  text "ZBJ" at 4900,3325 h60 r90
  text "12V" at 1116,3141 h60 r270
  text "RBJ" at 4900,3125 h60 r90
  text "XXG" at 4900,2900 h60 r90
  text "GND" at 1128,2775 h60 r270
  text "SXG" at 4905,2695 h60 r90
  text "ZHA" at 4900,2490 h60 r90
  text "M12" at 1134,2395 h60 r270
  text "RT" at 4905,2270 h60 r90
  text "XX" at 4900,2075 h60 r90
  text "M11" at 1135,2017 h60 r270
  text "X" at 4905,1850 h60 r90
  text "SS" at 4900,1680 h60 r90
  text "S" at 4905,1450 h60 r90
Bottom Solder:
  lines w10: 1291,3321 1291,3342 ; 2340,3720 2345,3720 ; 2448,1226 2448,1228 ; 2450,2335 2450,2340 ; 2520,3550 2520,3580 ; 2802,1580 2802,1592
  lines w120: 1205,3735 1595,3735 1730,3600 1775,3600 ; 1205,3935 1470,3935 1777.5,4242.5 1777.5,4247.5 ; 1805,1076 2298,1076 2448,1226 ; 2037.5,3047.5 2057.5,3047.5 2160,3150 2160,4300 2335,4475 2335,4480 ; 2180,3560 2340,3720 ; 2340,3025 2340,3365 2525,3550 2525,3940 2455,4010 2340,4010 ; 2340,3725 2340,3835
  lines w130: 2050,1905 2050,3020 ; 2260,2020 2260,2945
  lines w150: 1286,2963 1445,2804 1735,2804 1832,2707 1832,1853 1986,1699 2254,1699 2355,1800 2355,1930 ; 1289,2218 1289,1789 1733.5,1344.5 1733.5,1343.5 1839,1238 ; 1291,3321 1572,3040 2052,3040 ; 1293.5,2593.5 1584,2303 1584,1798 1902,1480 2380,1480 2602,1702 2602,2487 2450,2335 ; 2260,2020 2350,1930 ; 2260,2945 2340,3025 ; 2451,1229 2802,1580 ; 2600,2485 2800,2685 3050,2685 ; 2804,1576 3061,1577
Drill Drawing:
  lines w10: 2840,2780.79 2840,2815.79 2907.82,2815.79 3060.32,2815.79 3131.57,2815.79 3181.57,2765.79 3181.57,2610.79 3126.57,2555.79 2841.57,2555.79 2841.57,2590 3110.79,2590 3146.57,2625.79 3146.57,2745.79 3111.57,2780.79 3093.45,2780.79 3087.2,2780.79 3054.07,2780.79 2889.07,2780.79 2840,2780.79 ; 2845,1445 2845,1480 3115,1480 3150,1515 3150,1635 3115,1670 3096.88,1670 3090.63,1670 3057.5,1670 2892.5,1670 2845,1670 2845,1705 2911.25,1705 3063.75,1705 3135,1705 3185,1655 3185,1500 3130,1445 2845,1445

## Text inside footprints (layer, text, board x,y; h text height)
P1: Top Overlay "3v3" at 3025,4785 h30 r90; Top Overlay "GND" at 3025,4565 h30 r90
S1: Top Overlay "ON" at 1450,4731.77 h39.37
SMG: Top Overlay "f" at 3735,3805 h27.56 r90; Top Overlay "b" at 3735,3920 h27.56 r90; Top Overlay "g" at 3750,3855 h27.56 r90; Top Overlay "a" at 3695,3865 h27.56 r90; Top Overlay "d" at 3920,3825 h27.56 r90; Top Overlay "e" at 3875,3765 h27.56 r90; Top Overlay "dp" at 3905,3960 h27.56 r90; Top Overlay "c" at 3875,3890 h27.56 r90; Top Overlay "f" at 3740,4110 h27.56 r90; Top Overlay "b" at 3740,4225 h27.56 r90; Top Overlay "g" at 3755,4160 h27.56 r90; Top Overlay "a" at 3700,4170 h27.56 r90; Top Overlay "d" at 3925,4130 h27.56 r90; Top Overlay "e" at 3880,4070 h27.56 r90; Top Overlay "dp" at 3910,4265 h27.56 r90; Top Overlay "c" at 3880,4195 h27.56 r90; Top Overlay "f" at 3735,4395 h27.56 r90; Top Overlay "b" at 3735,4510 h27.56 r90; Top Overlay "g" at 3750,4445 h27.56 r90; Top Overlay "a" at 3695,4455 h27.56 r90; Top Overlay "d" at 3920,4415 h27.56 r90; Top Overlay "e" at 3875,4355 h27.56 r90; Top Overlay "dp" at 3905,4550 h27.56 r90; Top Overlay "c" at 3875,4480 h27.56 r90; Top Overlay "c" at 3875,4775 h27.56 r90; Top Overlay "dp" at 3905,4845 h27.56 r90; Top Overlay "e" at 3875,4650 h27.56 r90; Top Overlay "d" at 3920,4710 h27.56 r90; Top Overlay "a" at 3695,4750 h27.56 r90; Top Overlay "g" at 3750,4740 h27.56 r90; Top Overlay "b" at 3735,4805 h27.56 r90; Top Overlay "f" at 3735,4690 h27.56 r90